# Altium PCB RK_NVR_DEMO1_RK3588_LP4XD200P232SD8_V21_20211228_final_lint.PcbDoc (part 28 of 29)
Units mm, origin at the board's own origin, x right, y up, seen from the top; angles counter-clockwise.
Board outline 170.08 x 169.98 mm, 8 copper layers (TOP, L2-GND1, L3-POWER1, L4-S1, L5-GND2, L6-S2, L7-GND3, BOTTOM), stack 2.118 mm thick; 1650 components, 1119 nets, 6165 pads, 15417 vias.
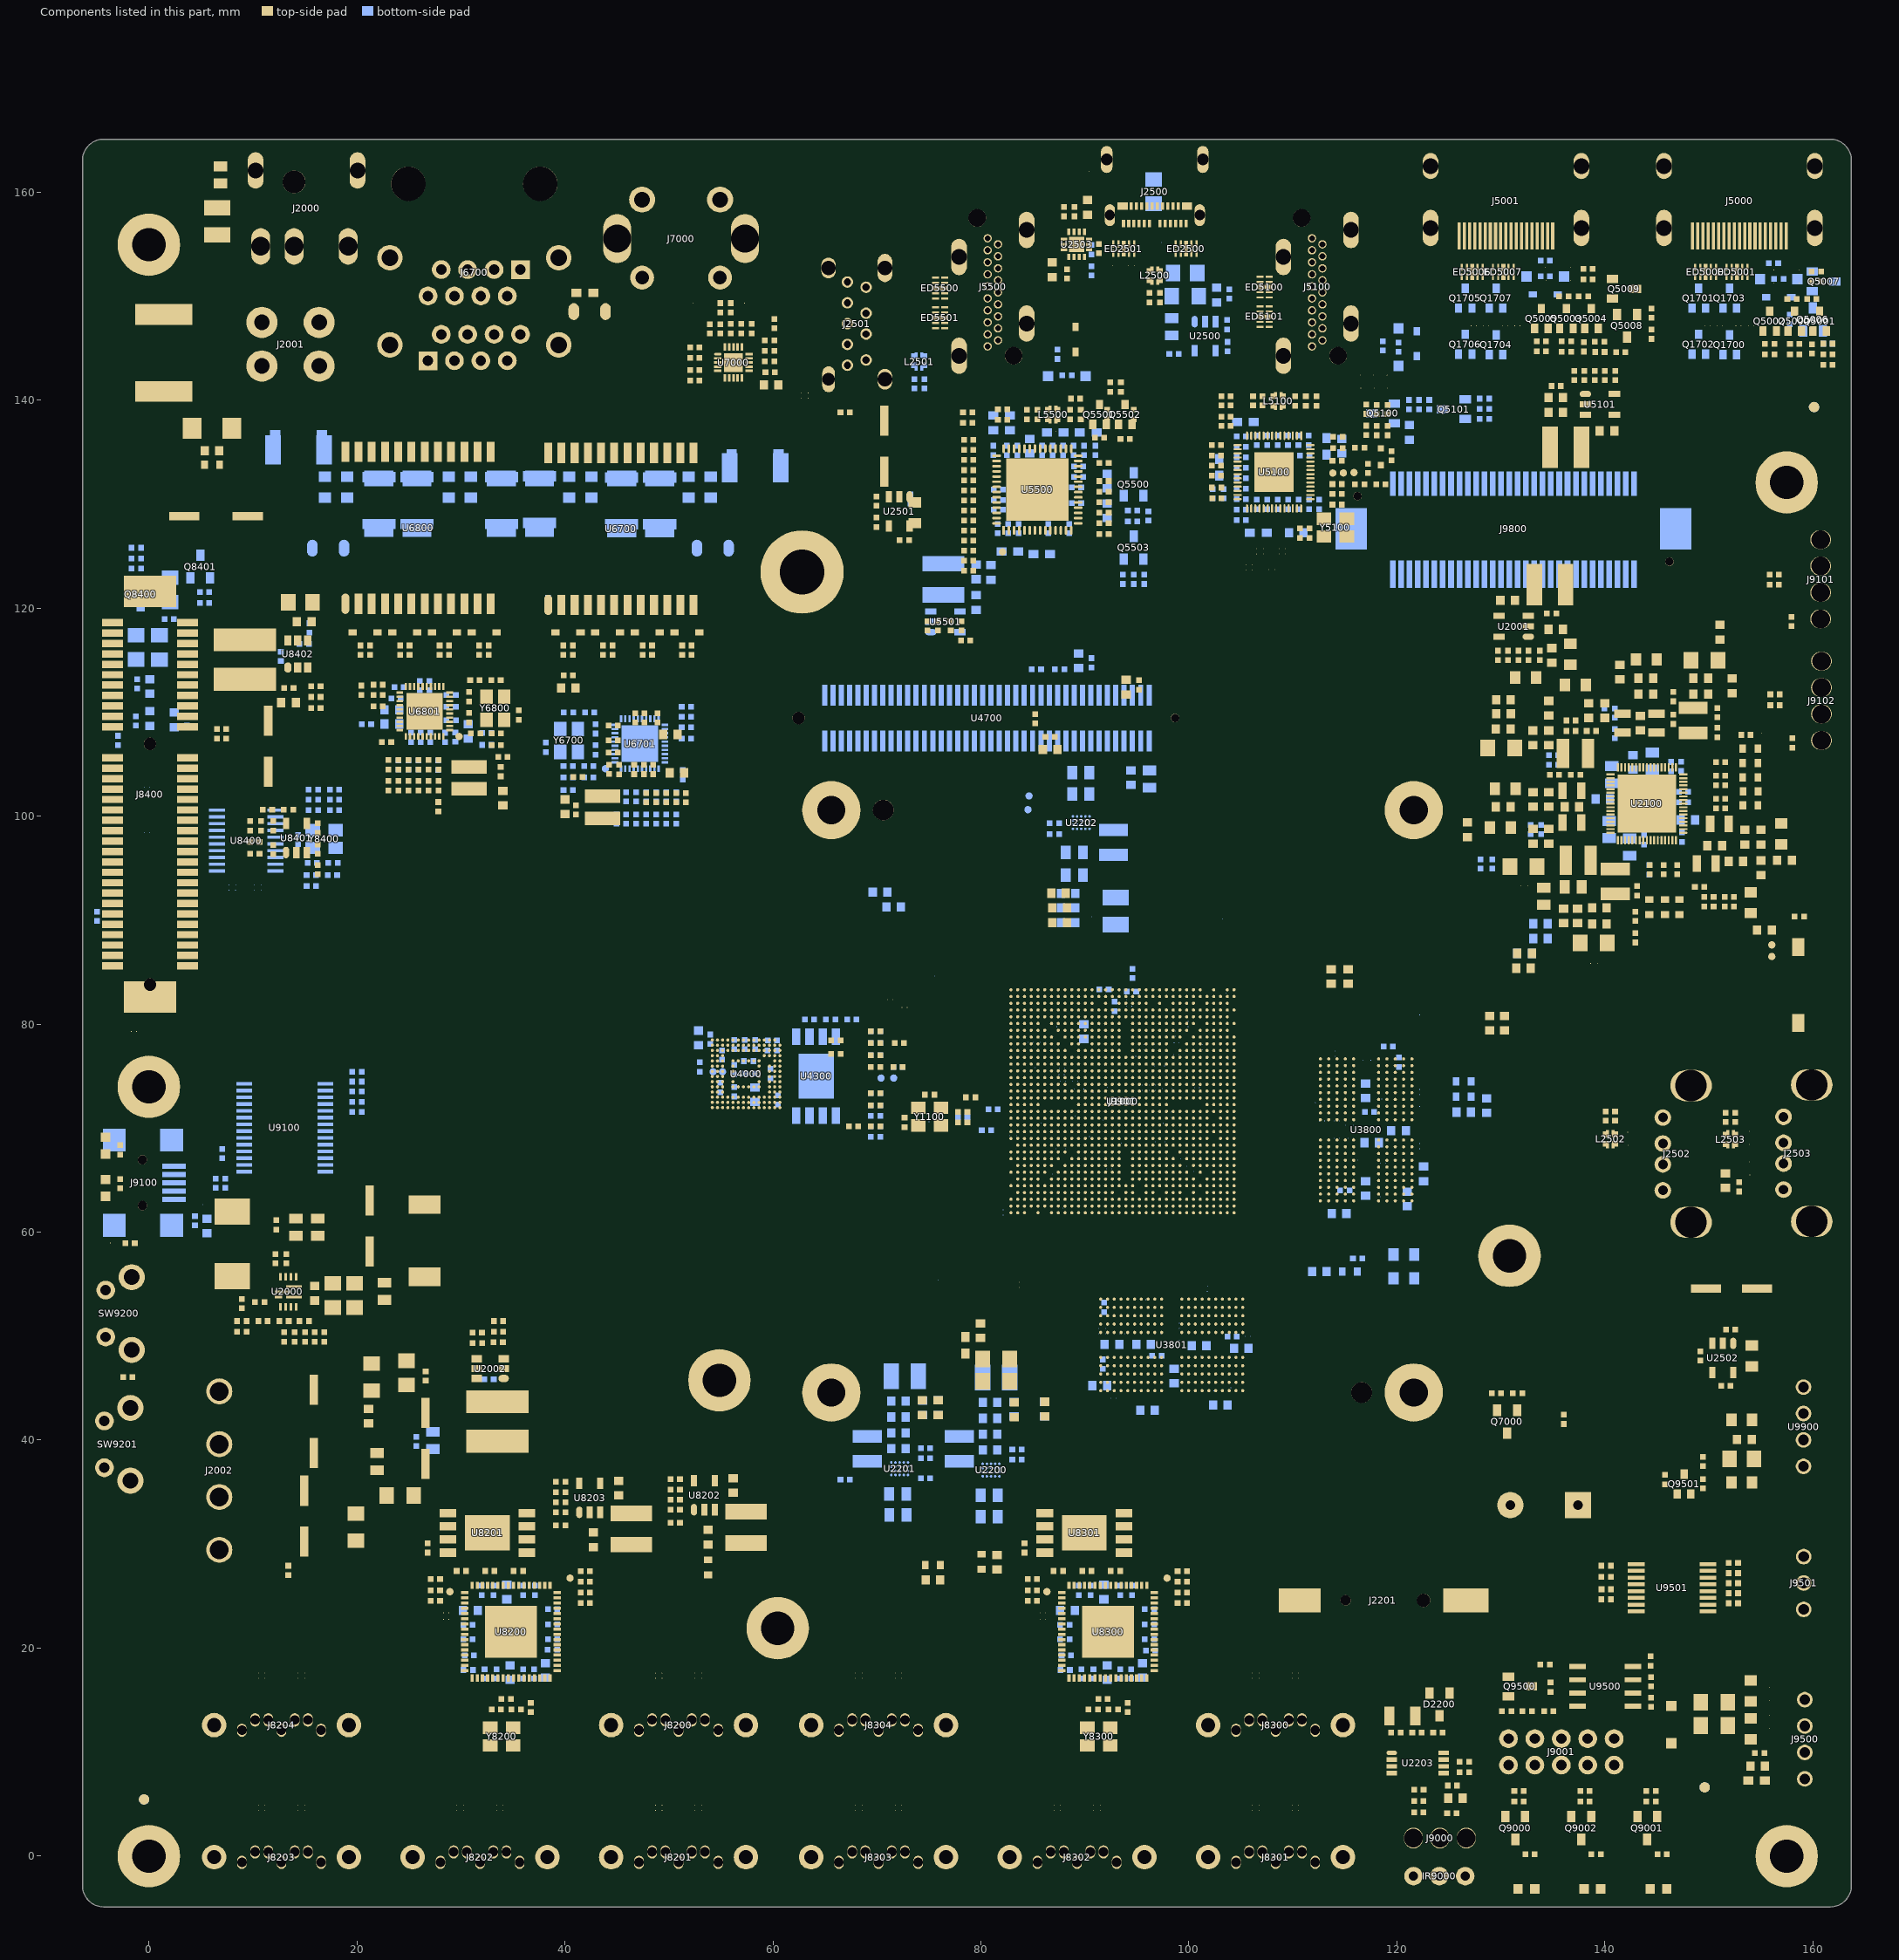
[diagram p34: the components of this part, seen from the top]

## Polygon pours and split planes (outlines as drawn) (continued)
VCC_RTC on TOP "TOP-VCC_RTC" (solid, pour order 90): 123.562,13.907 123.562,13.094 124.07,12.586 124.07,10.351 123.969,10.249 123.969,9.741 124.07,9.64 125.086,9.64 125.188,9.741 125.188,13.602 124.68,14.11 123.766,14.11
VDD1V2_SATAPM0 on TOP "TOP-VDD1V2_SATAPM0" (solid, pour order 189): 48.531,30.569 48.531,28.918 47.896,28.283 43.832,28.283 41.546,28.283 41.241,28.283 40.936,28.588 40.936,30.214 41.165,30.442 41.546,30.442 41.8,30.442 43.959,30.442 44.213,30.696 48.404,30.696
VCC3V3_SATAPM0 on TOP "TOP-VCC3V3_SATAPM0" (solid, pour order 44): 78.833,29.807 80.459,29.807 80.56,29.706 80.56,28.791 80.459,28.69 79.849,28.69 79.544,28.385 78.833,28.385 78.427,28.385 78.02,28.791 78.02,29.604 78.223,29.807
N15156243 on TOP "TOP-N15156243" (solid, pour order 202): 26 vertices, not listed, extent 6.291,53.277 13.504,57.239
VCC5V0_SYS on TOP "TOP-VCC5V0_SYS 2" (solid, pour order 216): 17 vertices, not listed, extent 18,32.144 23.461,37.529
VCC_3V3 on TOP "TOP-VCC_3V3 3" (solid, pour order 113): 161.942,107.684 161.307,108.319 157.497,108.319 157.243,108.319 157.116,108.192 157.116,107.303 157.243,107.176 157.497,107.176 157.624,107.176 159.402,107.176 159.529,107.176 160.418,106.287 161.434,106.287 161.942,106.795
VCC3V3_PCIE30 on TOP "TOP-VCC3V3_PCIE30" (solid, pour order 234): 6.189,114.338 11.472,114.338 12.183,114.338 13.301,113.221 13.301,112.51 13.301,109.893 13.314,109.881 13.314,107.95 12.996,107.633 9.542,107.633 8.018,109.157 5.986,111.189 5.986,112.205 5.986,114.135
VDD_LOGIC on TOP "TOP-VDD_LOGIC" (solid, pour order 182): 138.396,88.684 138.396,87.033 138.396,86.906 138.777,86.525 138.777,85.255 137.558,85.255 136.923,85.89 135.221,85.89 135.018,86.094 135.018,90.158 135.145,90.285 137.812,90.285 137.939,90.158 137.939,89.142 138.142,88.938
VCC_3V3_P on TOP "TOP-VCC_3V3_P" (solid, pour order 157): 156.989,98.336 156.989,98.692 157.37,98.692 157.675,98.997 157.675,99.81 157.446,100.038 156.887,100.038 156.862,100.064 151.909,100.064 151.655,100.064 151.528,99.937 151.528,98.413 151.655,98.286 153.814,98.286 156.938,98.286
VDD_IVDD10 on TOP "TOP-VDD_IVDD10" (solid, pour order 200): 135.526,133.236 133.697,133.236 133.24,133.693 132.986,133.947 132.986,141.161 133.291,141.466 133.595,141.77 134.815,141.77 135.221,141.364 135.221,141.161 135.221,137.808 135.526,137.503
VDDA_0V75 on TOP "TOP-VDDA_0V75" (solid, pour order 13): 155.592,101.638 154.525,101.638 154.398,101.511 154.398,100.749 154.652,100.495 155.592,100.495 155.719,100.495 155.795,100.572 155.795,101.435 155.719,101.511
VCC4V0_SYS on TOP "TOP-VCC4V0_SYS 4" (solid, pour order 226): 23.359,54.42 22.115,54.42 21.734,54.039 21.734,51.55 21.835,51.55 22.14,51.245 28.439,51.245 28.643,51.448 28.643,53.988 28.592,54.039 28.592,55.969 27.931,56.63 25.087,56.63 23.969,55.512 23.969,55.029
PMIC1_SW6 on TOP "TOP-PMIC1_SW6" (solid, pour order 54): 17 vertices, not listed, extent 140.86,105.321 143.12,108.446
VDD2_DDR_P on TOP "TOP-VDD2_DDR_P" (solid, pour order 178): 17 vertices, not listed, extent 137.659,109.335 142.638,113.526
VDDA_0V75_PMU on TOP "TOP-VDDA_0V75_PMU" (solid, pour order 53): 154.627,107.099 154.485,107.099 154.358,106.972 154.358,106.083 154.485,105.956 155.628,105.956 155.66,105.989 156.539,105.989 156.659,106.109 156.659,107.328 156.252,107.734 154.931,107.734 154.83,107.633 154.627,107.43
N17435180 on TOP "TOP-N17435180" (solid, pour order 198): 32.097,46.266 33.418,44.946 36.364,44.946 36.669,44.641 36.669,42.914 36.263,42.507 30.573,42.507 30.268,42.812 30.268,45.86 30.675,46.266
VCC3V3_SATAPM1 on TOP "TOP-VCC3V3_SATAPM1" (solid, pour order 101): 79.646,28.004 82.694,28.004 82.948,27.75 82.948,26.48 82.694,26.226 79.773,26.226 79.392,26.607 79.392,27.75
VDD_DDR on TOP "TOP-VDD_DDR" (solid, pour order 260): 28 vertices, not listed, extent 120.286,79.693 130.243,99.987
VCCA_3V3 on TOP "TOP-VCCA_3V3" (solid, pour order 12): 146.651,89.632 146.651,90.843 146.778,90.97 147.667,90.97 147.794,90.843 147.794,89.632
VCC5V0_SYS on TOP "TOP-VCC5V0_SYS 3" (solid, pour order 130): 72.839,128.461 72.839,125.921 72.839,125.718 73.245,125.311 74.464,125.311 74.871,125.311 75.175,125.311 75.277,125.413 75.277,126.632 75.175,126.734 75.175,128.156 74.667,128.664 74.566,128.766 73.143,128.766
VCC12V_DCIN on TOP "TOP-VCC12V_DCIN" (solid, pour order 253): 36 vertices, not listed, extent 13.199,46.368 32.199,54.217
VDDA0V75_IMAGE_P on TOP "TOP-VDDA0V75_IMAGE_P 1" (solid, pour order 9): 153.636,103.289 153.636,104.178 153.509,104.305 152.747,104.305 152.417,103.975 152.417,103.493 152.417,103.239 152.493,103.162 152.747,103.162 153.509,103.162
VCC_3V3 on TOP "TOP-VCC_3V3 4" (solid, pour order 135): 53.331,27.369 54.551,27.369 54.855,27.064 54.855,24.118 54.754,24.016 54.246,23.508 52.417,23.508 52.214,23.711 52.214,25.438 52.417,25.642 52.722,25.642 53.128,26.048 53.128,27.166
VCC12V_DCIN on TOP "TOP-VCC12V_DCIN 1" (solid, pour order 58): 152.696,36.614 152.696,35.192 152.595,35.09 150.359,35.09 150.258,35.192 150.258,36.513 150.461,36.716 152.595,36.716
N21892112 on TOP "TOP-N21892112" (solid, pour order 249): 17 vertices, not listed, extent 5.541,27.648 20.921,32.423
VCC_1V1_NLDO_P on TOP "TOP-VCC_1V1_NLDO_P" (solid, pour order 188): 135.526,124.295 135.526,120.231 135.119,119.825 135.119,118.91 135.627,118.402 135.627,116.675 136.135,116.167 137.355,116.167 137.456,116.269 137.456,124.397 137.253,124.6 135.831,124.6
VDD1V2_SATAPM0 on TOP "TOP-VDD1V2_SATAPM0 1" (solid, pour order 64): 74.972,28.588 74.972,27.775 74.464,27.267 73.855,27.267 73.448,26.861 72.534,26.861 72.229,27.166 72.229,27.978 72.839,28.588 72.94,28.588 73.042,28.69 74.871,28.69
PMIC1_SW5 on TOP "TOP-PMIC1_SW5" (solid, pour order 35): 137.964,98.641 139.209,99.886 139.514,99.886 139.717,100.089 139.717,100.394 139.615,100.495 138.498,100.495 138.193,100.191 137.38,100.191 137.38,98.641
VDD_CPU_BIG0 on TOP "TOP-VDD_CPU_BIG0" (solid, pour order 204): 81.983,48.603 81.983,43.828 82.795,43.015 85.843,43.015 86.351,43.015 86.555,43.218 86.555,44.539 86.047,45.047 85.031,46.063 85.031,48.197 84.523,48.705 82.084,48.705 82.033,48.654
N17305210 on TOP "TOP-N17305210" (solid, pour order 191): 12.691,118.123 6.113,118.123 6.087,118.098 6.087,115.964 6.291,115.761 12.92,115.761 13.199,115.761 13.707,116.269 13.707,117.386 12.971,118.123
VCC3V3_SATAPM0 on TOP "TOP-VCC3V3_SATAPM0 1" (solid, pour order 197): 59.554,30.696 59.554,29.172 58.919,28.537 55.287,28.537 54.754,28.004 52.239,28.004 52.112,28.131 52.112,30.239 52.265,30.391 52.569,30.696 52.823,30.696 54.982,30.696 55.236,30.95 59.326,30.95 59.326,30.925
VCC_1V8 on TOP "TOP-VCC_1V8" (solid, pour order 107): 143.349,116.116 140.936,116.116 140.885,116.167 140.504,116.167 140.301,115.964 140.301,114.592 140.682,114.211 140.809,114.084 143.349,114.084 143.603,114.338 143.603,115.862
VDDQ_DDR on TOP "TOP-VDDQ_DDR" (solid, pour order 271): 25 vertices, not listed, extent 127.703,64.758 156.354,91.58
VDDA_DDR_PLL on TOP "TOP-VDDA_DDR_PLL" (solid, pour order 11): 154.358,105.474 154.358,104.585 154.434,104.509 154.449,104.509 155.592,104.509 155.719,104.636 155.719,105.474 155.592,105.601 155.501,105.601 155.374,105.601 155.12,105.601 154.485,105.601
N15216723 on TOP "TOP-N15216723" (solid, pour order 162): 48.531,32.22 48.531,33.744 48.15,34.125 43.578,34.125 43.07,33.617 43.07,32.347 43.324,32.093 48.404,32.093
VCC4V0_SYS on TOP "TOP-VCC4V0_SYS 5" (solid, pour order 104): 54.144,35.624 54.906,35.624 55.16,35.878 56.684,35.878 56.938,36.132 56.938,38.164 56.684,38.418 55.668,38.418 54.017,36.767 54.017,35.751
PHY0_REG_OUT on TOP "TOP-PHY0_REG_OUT" (solid, pour order 110): 41.901,101.232 41.901,102.858 42.206,103.162 45.356,103.162 45.457,103.061 45.457,101.537 45.153,101.232
N15889248 on TOP "TOP-N15889248" (solid, pour order 154): 136.948,133.338 138.574,133.338 138.777,133.541 138.777,138.824 138.675,138.926 137.05,138.926 136.948,138.824
VCC_3V3 on TOP "TOP-VCC_3V3 5" (solid, pour order 68): 122.546,16.548 122.546,14.923 122.75,14.72 123.867,14.72 124.07,14.923 124.07,16.65 124.07,17.26 123.766,17.564 122.75,17.564 122.546,17.361
VCC3V3_IR on TOP "TOP-VCC3V3_IR" (solid, pour order 219): 126.255,-3.111 127.779,-3.111 128.287,-2.603 128.287,5.652 127.017,6.922 126.128,6.922 125.62,6.922 125.493,6.795 125.493,-2.603 126.001,-3.111
VCC_2V0_PLDO on TOP "TOP-VCC_2V0_PLDO" (solid, pour order 239): 30 vertices, not listed, extent 123.74,100.318 131.868,114.338
VDD_DDR_P on TOP "TOP-VDD_DDR_P" (solid, pour order 176): 18 vertices, not listed, extent 130.547,96.355 136.364,100.178
VDD2_DDR on TOP "TOP-VDD2_DDR" (solid, pour order 152): 18 vertices, not listed, extent 131.97,110.274 136.643,113.221
N15873508 on TOP "TOP-N15873508" (solid, pour order 233): 153.712,34.887 155.643,34.887 157.37,36.614 157.37,40.272 158.183,41.085 160.011,41.085 160.519,41.593 160.519,43.422 160.011,43.93 155.643,43.93 154.322,42.609 154.017,42.609 153.611,42.202 153.611,34.989
VCC_3V3 on TOP "TOP-VCC_3V3 6" (solid, pour order 187): 21 vertices, not listed, extent 156.252,93.282 160.418,97.879
VCC4V0_SYS on TOP "TOP-VCC4V0_SYS 6" (solid, pour order 26): 141.749,96.736 141.749,97.143 141.647,97.244 141.038,97.244 141.038,97.549 140.936,97.651 140.733,97.651 140.53,97.447 140.047,96.965 140.047,95.873 140.098,95.873 140.225,95.746 140.758,95.746 141.063,96.05
VDD10_PHY0 on TOP "TOP-VDD10_PHY0" (solid, pour order 140): 26 vertices, not listed, extent 42.562,106.871 48.404,111.57
VDD10_PHY1 on TOP "TOP-VDD10_PHY1" (solid, pour order 163): 17 vertices, not listed, extent 28.846,101.537 35.221,104.026
VDD_CPU_BIG1 on TOP "TOP-VDD_CPU_BIG1" (solid, pour order 227): 76.598,43.32 74.871,43.32 74.058,43.32 73.753,43.625 73.753,46.673 74.667,47.587 74.871,47.79 75.887,48.806 77.512,48.806 80.56,48.806 80.865,48.502 80.865,46.165 78.02,43.32
PHY1_REG_OUT on TOP "TOP-PHY1_REG_OUT" (solid, pour order 144): 22 vertices, not listed, extent 28.236,104.28 32.503,107.988
VCC4V0_SYS on TOP "TOP-VCC4V0_SYS 7" (solid, pour order 16): 141.317,105.271 140.936,105.271 140.885,105.321 140.809,105.321 140.784,105.296 140.403,105.296 140.199,105.499 140.199,106.414 140.58,106.795 140.631,106.795 140.682,106.845 140.809,106.845 140.809,106.82 141.52,106.109 141.52,105.474
VCCIO_PHY0 on TOP "TOP-VCCIO_PHY0" (solid, pour order 165): 23 vertices, not listed, extent 46.169,101.842 51.96,104.686
VDD10_PHY0 on TOP "TOP-VDD10_PHY0 1" (solid, pour order 201): 27 vertices, not listed, extent 37.609,98.997 45.457,111.697
VCCA_1V8_P on TOP "TOP-VCCA_1V8_P" (solid, pour order 23): 145.381,91.605 146.118,91.605 146.194,91.682 146.194,92.444 145.305,93.333 145.305,93.587 144.924,93.968 144.797,93.968 144.67,93.841 144.67,92.774 145.254,92.19 145.254,91.732
N15216667 on TOP "TOP-N15216667" (solid, pour order 161): 59.554,32.474 59.554,33.998 59.173,34.379 54.601,34.379 54.093,33.871 54.093,32.601 54.347,32.347 59.427,32.347
VCC5V0_SYS on TOP "TOP-VCC5V0_SYS 4" (solid, pour order 31): 88.891,145.123 90.009,145.123 90.517,144.615 90.517,143.701 90.415,143.599 89.399,143.599 88.79,144.209 88.79,145.022
VDD_LOGIC_P on TOP "TOP-VDD_LOGIC_P" (solid, pour order 209): 139.793,93.129 141.825,93.129 142.396,93.129 142.396,86.398 141.126,85.128 139.285,85.128 139.158,85.255 139.158,86.398 139.285,86.525 139.539,86.779 139.539,89.446 139.539,92.875
VDD_CPU_LIT on TOP "TOP-VDD_CPU_LIT" (solid, pour order 211): 19 vertices, not listed, extent 126.509,103.874 130.065,111.798
PMIC1_SW3 on TOP "TOP-PMIC1_SW3" (solid, pour order 85): 142.638,94.349 142.638,97.016 142.384,97.27 142.13,97.27 141.876,97.016 141.888,97.003 141.888,96.635 140.745,95.492 139.717,95.492 139.717,94.349 140.098,94.349
VCCA1V8_IMAGE_P on TOP "TOP-VCCA1V8_IMAGE_P" (solid, pour order 55): 143.146,91.555 142.892,91.809 142.892,92.698 143.273,92.698 143.527,92.952 143.527,95.365 143.349,95.542 143.349,95.923 144.035,95.238 144.035,93.206 144.873,92.367 144.873,91.732 144.746,91.605 144.721,91.605 144.67,91.555
VCCA_3V3_P on TOP "TOP-VCCA_3V3_P" (solid, pour order 15): 146.702,91.682 147.718,91.682 147.718,92.063 147.718,92.19 146.448,93.46 146.321,93.46 146.194,93.46 146.067,93.333 146.067,92.952 146.575,92.444 146.575,91.809
N21615728 on TOP "TOP-N21615728" (solid, pour order 212): 155.058,10.224 155.058,6.871 155.465,6.465 160.24,6.465 160.748,6.973 160.748,10.325 160.138,10.935 155.77,10.935
VDD_NPU on TOP "TOP-VDD_NPU" (solid, pour order 141): 87.774,93.104 88.383,93.104 88.79,92.698 88.79,86.805 88.587,86.602 87.571,86.602 87.164,87.008 87.164,87.719 86.758,88.126 86.758,88.938 86.961,89.142 87.571,89.142 87.672,89.243 87.672,93.002
VCC12VDC on TOP "TOP-VCC12VDC" (solid, pour order 269): 24 vertices, not listed, extent -1.533,141.466 12.437,156.604
PMIC1_SW7 on TOP "TOP-PMIC1_SW7" (solid, pour order 49): 139.437,102.121 139.615,102.121 139.92,101.816 139.92,101.41 139.818,101.308 139.31,101.308 138.853,101.308 138.574,101.588 138.447,101.715 137.316,101.715 137.316,102.832 137.316,103.251 137.431,103.366 138.193,103.366
VCC4V0_SYS on TOP "TOP-VCC4V0_SYS 8" (solid, pour order 105): 42.994,35.243 43.756,35.243 44.01,35.497 45.534,35.497 45.788,35.751 45.788,37.783 45.534,38.037 44.518,38.037 42.867,36.386 42.867,35.37
VCCA_1V8 on TOP "TOP-VCCA_1V8" (solid, pour order 236): 25 vertices, not listed, extent 133.494,78.27 146.6,90.97
VCC4V0_SYS on TOP "TOP-VCC4V0_SYS 9" (solid, pour order 70): 130.446,121.247 130.446,119.114 130.141,118.809 128.922,118.809 128.465,119.266 128.465,120.384 129.43,121.349 130.344,121.349
VCC4V0_SYS on TOP "TOP-VCC4V0_SYS 10" (solid, pour order 27): 136.923,101.461 138.32,101.461 138.701,101.08 139.844,101.08 139.844,100.826 139.717,100.699 138.193,100.699 137.939,100.445 136.796,100.445 136.669,100.572 136.669,101.334 136.796,101.461
PMIC1_SW9 on TOP "TOP-PMIC1_SW9" (solid, pour order 75): 147.032,97.346 146.829,97.143 146.829,96.736 146.829,96.508 148.099,95.238 148.099,94.603 148.175,94.526 149.127,94.526 149.229,94.628 149.229,96.139 148.886,96.482 147.718,97.651 147.438,97.651 147.337,97.752 147.032,97.752
VDD_CPU_BIG1_MEM on TOP "TOP-VDD_CPU_BIG1_MEM" (solid, pour order 93): 77.919,50.534 77.919,49.416 78.122,49.213 79.849,49.213 81.576,49.213 81.881,49.518 81.881,50.229 81.475,50.635 80.154,50.635 80.154,50.737 80.052,50.838 78.935,50.838 78.731,50.635 78.02,50.635
VDDA_DDR_PLL_P on TOP "TOP-VDDA_DDR_PLL_P" (solid, pour order 52): 25 vertices, not listed, extent 148.353,102.223 153.596,105.525
VDDA0V75_IMAGE on TOP "TOP-VDDA0V75_IMAGE" (solid, pour order 88): 115.714,82.944 112.361,82.944 112.056,83.249 112.056,84.163 112.259,84.366 115.714,84.366 115.815,84.366 115.917,84.265 115.917,83.046 115.815,82.944
VCC_2V0_PLDO_P on TOP "TOP-VCC_2V0_PLDO_P" (solid, pour order 139): 130.954,101.765 134.967,101.765 135.145,101.588 136.288,101.588 136.288,103.239 133.291,103.239 133.062,103.467 131.157,103.467 130.954,103.264 130.954,103.239
VDD_VDENC on TOP "TOP-VDD_VDENC" (solid, pour order 167): 150.258,113.957 151.477,113.957 151.782,113.653 151.782,112.891 151.909,112.764 152.798,112.764 153.052,113.018 153.052,117.209 152.671,117.59 149.75,117.59 149.75,115.939 149.953,115.939 150.004,115.939 150.131,115.812 150.131,114.084
VDDA0V75_IMAGE on TOP "TOP-VDDA0V75_IMAGE 1" (solid, pour order 158): 18 vertices, not listed, extent 154.322,101.74 161.637,104.28
VCC12V_PCIE30 on TOP "TOP-VCC12V_PCIE30" (solid, pour order 173): -2.015,118.936 -2.015,116.269 -1.888,116.142 2.049,116.142 2.176,116.269 2.176,119.19 1.922,119.444 -1.507,119.444
VCC12V_DCIN on TOP "TOP-VCC12V_DCIN 2" (solid, pour order 276): 24 vertices, not listed, extent -4.885,116.269 14.698,142.38
PMIC1_SW8 on TOP "TOP-PMIC1_SW8" (solid, pour order 47): 149.242,98.921 148.48,98.921 148.264,99.136 148.264,99.975 148.251,99.987 148.251,100.089 148.353,100.191 149.572,100.191 149.597,100.165 150.385,100.165 150.486,100.064 150.512,100.064 150.512,98.413 149.75,98.413 149.496,98.667
VCC3V3_PI6C_05 on TOP "TOP-VCC3V3_PI6C_05" (solid, pour order 98): 19 vertices, not listed, extent 9.339,98.692 13.606,101.537
VCC3V3_PCIE30 on TOP "TOP-VCC3V3_PCIE30 1" (solid, pour order 170): -2.142,109.258 -2.396,109.512 -2.396,111.951 -2.015,112.332 1.16,112.332 2.43,111.062 2.43,109.411 2.303,109.284 1.896,109.284 1.515,109.665 0.499,109.665 0.093,109.258
VCC5V0_SYS on TOP "TOP-VCC5V0_SYS 5" (solid, pour order 24): 88.587,157.925 89.298,157.925 89.603,158.23 90.415,158.23 90.415,157.315 89.907,156.807 89.704,156.807 88.79,156.807 88.688,156.909 88.688,157.315 88.587,157.417
VCC_1V1_NLDO on TOP "TOP-VCC_1V1_NLDO" (solid, pour order 142): 132.884,112.611 134.815,112.611 135.627,113.424 137.355,113.424 137.558,113.627 137.558,114.846 137.253,115.151 134.408,115.151 134.205,114.948 134.205,114.542 133.9,114.237 132.884,114.237 132.783,114.135 132.783,112.713
VDDA_0V85_P on TOP "TOP-VDDA_0V85_P" (solid, pour order 7): 153.636,101.892 153.636,102.781 153.509,102.908 152.747,102.908 152.366,102.527 152.366,102.146 152.683,101.829 153.572,101.829
N15763883 on TOP "TOP-N15763883" (solid, pour order 145): 132.275,124.194 132.275,120.333 131.767,119.825 131.767,119.215 132.071,118.91 132.783,118.91 134.002,120.13 134.002,124.295 133.799,124.498 132.579,124.498
VCC5V0_SYS_P on TOP "TOP-VCC5V0_SYS_P" (solid, pour order 242): 36.466,38.748 36.263,38.748 34.637,37.122 29.963,37.122 26.509,33.668 25.188,33.668 24.782,34.074 24.782,38.748 25.696,39.662 27.322,39.662 28.744,41.085 31.183,41.085 36.567,41.085 36.466,40.983
VCCIO_SD_P on TOP "TOP-VCCIO_SD_P" (solid, pour order 14): 146.448,94.857 147.464,94.857 147.464,95.238 147.464,95.365 146.194,96.635 146.067,96.635 145.94,96.635 145.813,96.508 145.813,96.127 146.321,95.619 146.321,94.984
VDD_VDENC on TOP "TOP-VDD_VDENC 1" (solid, pour order 122): 128.414,79.896 130.954,79.896 131.157,79.693 131.157,77.864 130.852,77.559 128.312,77.559 127.906,77.966 127.906,79.388
VDD_VDENC on L3-POWER1 "L3-POWER1-VDD_VDENC" (solid, pour order 296): 54 vertices, not listed, extent 95.14,70.93 160.621,117.386
VDD_LOGIC on L3-POWER1 "L3-POWER1-VDD_LOGIC" (solid, pour order 288): 65 vertices, not listed, extent 90.415,67.628 137.863,99.2
VCC_3V3 on L3-POWER1 "L3-POWER1-VCC_3V3" (solid, pour order 283): 36 vertices, not listed, extent 31.081,60.795 73.753,97.574
VDD_CPU_BIG1 on L3-POWER1 "L3-POWER1-VDD_CPU_BIG1" (solid, pour order 285): 27 vertices, not listed, extent 70.248,44.438 90.619,70.803
VDD_NPU on L3-POWER1 "L3-POWER1-VDD_NPU" (solid, pour order 264): 23 vertices, not listed, extent 82.821,75.527 91.203,89.142
VCC5V0_SYS on L3-POWER1 "L3-POWER1-VCC5V0_SYS" (solid, pour order 301): 125 vertices, not listed, extent 4.563,22.289 156.557,151.422
VCC_1V8 on L3-POWER1 "L3-POWER1-VCC_1V8" (solid, pour order 290): 40 vertices, not listed, extent 37.482,76.34 125.061,114.745
VDDQ_DRAM on L3-POWER1 "L3-POWER1-VDDQ_DRAM" (solid, pour order 293): 29 vertices, not listed, extent 90.949,42.863 125.493,77.153
VDD_CPU_LIT on L3-POWER1 "L3-POWER1-VDD_CPU_LIT" (solid, pour order 298): 59 vertices, not listed, extent 71.365,70.041 129.633,111.494
VDDQ_DDR_CK on L3-POWER1 "L3-POWER1-VDDQ_DDR_CK" (solid, pour order 193): 25 vertices, not listed, extent 92.854,61.1 98.315,69.025
VDD_GPU on L3-POWER1 "L3-POWER1-VDD_GPU" (solid, pour order 282): 45 vertices, not listed, extent 95.267,74.994 131.055,91.682
VCC3V3_PHY1 on L3-POWER1 "L3-POWER1-VCC3V3_PHY1" (solid, pour order 215): 38 vertices, not listed, extent 22.572,106.541 31.97,114.669
VDD2_DDR_CKE on L3-POWER1 "L3-POWER1-VDD2_DDR_CKE" (solid, pour order 155): 94.987,62.624 94.987,65.672 95.597,66.282 96.105,66.282 96.41,66.282 96.918,65.774 96.918,61.1 96.511,60.694 95.394,60.694 94.987,61.1
VDD_CPU_BIG1_MEM on L3-POWER1 "L3-POWER1-VDD_CPU_BIG1_MEM" (solid, pour order 248): 30 vertices, not listed, extent 80.459,48.502 92.549,69.634
VCC12V_DCIN on L3-POWER1 "L3-POWER1-VCC12V_DCIN" (solid, pour order 297): 30 vertices, not listed, extent 15.638,6.287 154.728,36.716
VCC4V0_SYS on L3-POWER1 "L3-POWER1-VCC4V0_SYS" (solid, pour order 302): 51 vertices, not listed, extent 15.028,28.893 150.563,139.738
VDDQ_DDR on L3-POWER1 "L3-POWER1-VDDQ_DDR" (solid, pour order 274): 33 vertices, not listed, extent 95.902,53.988 118.762,71.565
GND on L3-POWER1 "L3-POWER1-GND" (solid, pour order 308): -4.35,-4.373 cw(c-4.35,-2.849) -5.874,-2.849 -5.874,163.063 cw(c-4.35,163.063) -4.35,164.587 161.664,164.587 cw(c161.664,163.063) 163.188,163.063 163.188,-2.849 cw(c161.664,-2.849) 161.664,-4.373
VDD10_PHY1 on L3-POWER1 "L3-POWER1-VDD10_PHY1" (solid, pour order 254): 35 vertices, not listed, extent 22.623,101.842 35.424,113.348
VCCA1V8_IMAGE on L6-S2 "L6-S2-VCCA1V8_IMAGE" (solid, pour order 148): 25 vertices, not listed, extent 85.843,74.918 89.501,82.842
VCC_OVDD33_6161 on L6-S2 "L6-S2-VCC_OVDD33_6161" (solid, pour order 265): 19 vertices, not listed, extent 77.512,130.493 95.394,139.84
VCC_1V8 on L6-S2 "L6-S2-VCC_1V8" (solid, pour order 33): 100.067,75.629 100.067,76.34 101.49,77.762 101.896,77.762 102.404,78.27 103.014,78.27 103.115,78.169 103.115,78.067 102.506,77.458 102.099,77.458 101.795,77.153 101.795,77.051 100.271,75.527 100.169,75.527
VCC_3V3 on L6-S2 "L6-S2-VCC_3V3" (solid, pour order 222): 57 vertices, not listed, extent 97.629,73.394 116.425,85.687
VCC3V3_SATAPM0 on L6-S2 "L6-S2-VCC3V3_SATAPM0" (solid, pour order 280): 29 vertices, not listed, extent 27.22,14.872 80.052,33.465
VCC_OVDD33 on L6-S2 "L6-S2-VCC_OVDD33" (solid, pour order 257): 25 vertices, not listed, extent 102.099,132.22 117.847,139.535
VCC_2V0_PLDO on L6-S2 "L6-S2-VCC_2V0_PLDO" (solid, pour order 245): 25 vertices, not listed, extent 128.007,95.238 144.06,102.045
VDDA_0V85 on L6-S2 "L6-S2-VDDA_0V85" (solid, pour order 267): 68 vertices, not listed, extent 96.207,75.121 156.151,88.329
VDDA_0V75 on L6-S2 "L6-S2-VDDA_0V75" (solid, pour order 38): 87.266,78.372 87.875,78.372 88.383,77.864 88.383,76.848 88.587,76.645 88.587,75.832 88.383,75.629 87.977,75.629 87.266,76.34
VDDA_0V75_PMU on L6-S2 "L6-S2-VDDA_0V75_PMU" (solid, pour order 241): 36 vertices, not listed, extent 86.859,69.533 92.854,84.976
VDDA_DDR_PLL on L6-S2 "L6-S2-VDDA_DDR_PLL" (solid, pour order 210): 48 vertices, not listed, extent 94.784,66.993 104.335,78.169
VCC_1V8 on L6-S2 "L6-S2-VCC_1V8 1" (solid, pour order 295): 49 vertices, not listed, extent 122.419,46.063 162.145,119.622
VCC_3V3 on L6-S2 "L6-S2-VCC_3V3 1" (solid, pour order 294): 23 vertices, not listed, extent 50.791,10.097 157.776,25.845
VDDA0V75_IMAGE_P on L6-S2 "L6-S2-VDDA0V75_IMAGE_P" (solid, pour order 72): 153.001,104.077 153.001,103.366 152.798,103.162 151.782,103.162 150.867,102.248 149.851,102.248 149.648,102.451 149.648,103.061 149.75,103.162 150.867,104.28 151.375,104.28 152.798,104.28
VDDA_0V75 on L6-S2 "L6-S2-VDDA_0V75 1" (solid, pour order 184): 19 vertices, not listed, extent 98.848,79.388 106.875,84.163
VCC_3V3 on L6-S2 "L6-S2-VCC_3V3 2" (solid, pour order 203): 101.693,127.75 101.693,126.226 101.49,126.022 96.715,126.022 94.378,128.359 93.26,128.359 93.159,128.461 93.159,130.188 93.362,130.391 95.699,130.391 98.035,128.054 101.388,128.054
VCC12V_DCIN on L6-S2 "L6-S2-VCC12V_DCIN" (solid, pour order 286): 37 vertices, not listed, extent 0.093,104.788 98.035,125.616
VDDA_0V75_P on L6-S2 "L6-S2-VDDA_0V75_P" (solid, pour order 89): 149.547,101.74 152.798,101.74 153.103,101.435 153.103,100.419 152.899,100.216 149.851,100.216 149.445,100.622 149.445,101.638
VCC_1V8 on L6-S2 "L6-S2-VCC_1V8 2" (solid, pour order 42): 88.282,74.105 88.79,74.105 88.993,73.902 88.993,72.174 88.891,72.073 87.875,71.057 87.672,71.057 87.571,71.158 87.571,71.362 87.672,71.463 87.672,71.666 87.672,73.495
VCC_1V8 on L6-S2 "L6-S2-VCC_1V8 3" (solid, pour order 78): 17 vertices, not listed, extent 89.196,62.116 92.041,66.282
VDD1V2_SATAPM0 on L6-S2 "L6-S2-VDD1V2_SATAPM0" (solid, pour order 251): 73.651,27.978 73.651,26.962 72.94,26.251 43.273,26.251 42.257,26.251 41.444,27.064 41.444,28.08 41.444,29.807 41.851,30.214 44.695,30.214 46.829,28.08 51.706,28.08 73.55,28.08
VCC4V0_SYS on L6-S2 "L6-S2-VCC4V0_SYS" (solid, pour order 224): 12.183,94.628 22.14,94.628 22.75,94.018 22.75,91.986 22.547,91.783 12.793,91.783 12.387,92.19 12.387,93.612 11.929,94.069 11.929,94.374
VDDA0V75_IMAGE on L6-S2 "L6-S2-VDDA0V75_IMAGE" (solid, pour order 263): 62 vertices, not listed, extent 99.051,71.362 154.423,84.265
VDD2_DDR_CKE on L6-S2 "L6-S2-VDD2_DDR_CKE" (solid, pour order 164): 26 vertices, not listed, extent 96.003,65.672 101.896,70.447
VCCA_1V8 on L6-S2 "L6-S2-VCCA_1V8" (solid, pour order 273): 108 vertices, not listed, extent 86.656,65.062 136.339,90.666
GND on L6-S2 "L6-S2-GND" (solid, pour order 310): -4.35,-4.373 cw(c-4.35,-2.849) -5.874,-2.849 -5.874,163.063 cw(c-4.35,163.063) -4.35,164.587 161.664,164.587 cw(c161.664,163.063) 163.188,163.063 163.188,-2.849 cw(c161.664,-2.849) 161.664,-4.373
VDD_CPU_BIG0 on L4-S1 "L4-S1-VDD_CPU_BIG0" (solid, pour order 289): 39 vertices, not listed, extent 73.55,42.863 95.648,73.394
VDD_LOGIC on L4-S1 "L4-S1-VDD_LOGIC" (solid, pour order 284): 43 vertices, not listed, extent 90.517,72.886 137.761,97.676
VDD2_DDR on L4-S1 "L4-S1-VDD2_DDR" (solid, pour order 299): 55 vertices, not listed, extent 90.568,39.866 143.654,112.306
VCC_3V3 on L4-S1 "L4-S1-VCC_3V3" (solid, pour order 287): 46 vertices, not listed, extent 69.994,93.307 122.826,141.77
VDD_GPU on L4-S1 "L4-S1-VDD_GPU" (solid, pour order 279): 29 vertices, not listed, extent 94.073,74.867 131.259,90.666
VCC3V3_SATAPM1 on L4-S1 "L4-S1-VCC3V3_SATAPM1" (solid, pour order 266): 55 vertices, not listed, extent 80.662,16.193 97.604,29.223
VCC_3V3 on L4-S1 "L4-S1-VCC_3V3 1" (solid, pour order 292): 28 vertices, not listed, extent 18.279,21.476 55.77,110.376
VCC5V0_SYS on L4-S1 "L4-S1-VCC5V0_SYS" (solid, pour order 235): 88.282,157.62 89.907,157.62 90.822,156.706 90.822,142.38 90.415,141.974 88.891,141.974 88.282,142.583 88.282,151.016 87.469,151.829 87.469,156.807
VCC_3V3 on L4-S1 "L4-S1-VCC_3V3 2" (solid, pour order 291): 29 vertices, not listed, extent 155.338,19.444 162.45,119.926
VDD_NPU on L4-S1 "L4-S1-VDD_NPU" (solid, pour order 262): 20 vertices, not listed, extent 80.763,75.426 91.431,89.142
VCC5V0_SYS on L4-S1 "L4-S1-VCC5V0_SYS 1" (solid, pour order 258): 90.212,126.835 93.057,126.835 97.121,122.771 97.121,113.627 96.816,113.322 92.447,113.322 89.806,115.964 89.806,126.429
GND on L4-S1 "L4-S1-GND" (solid, pour order 307): -4.35,-4.373 cw(c-4.35,-2.849) -5.874,-2.849 -5.874,163.063 cw(c-4.35,163.063) -4.35,164.587 161.664,164.587 cw(c161.664,163.063) 163.188,163.063 163.188,-2.849 cw(c161.664,-2.849) 161.664,-4.373
VDD1_1V8_DDR on L4-S1 "L4-S1-VDD1_1V8_DDR" (solid, pour order 223): 57 vertices, not listed, extent 111.853,71.158 125.264,74.918
VDD1_1V8_DDR on L4-S1 "L4-S1-VDD1_1V8_DDR 1" (solid, pour order 220): 62 vertices, not listed, extent 93.87,42.609 96.918,55.817
VDD1_1V8_DDR on L4-S1 "L4-S1-VDD1_1V8_DDR 2" (solid, pour order 243): 41 vertices, not listed, extent 111.853,62.218 125.264,69.228
VCC_3V3 on L4-S1 "L4-S1-VCC_3V3 3" (solid, pour order 146): 80.255,77.153 87.672,77.153 87.875,76.95 87.875,76.442 87.367,75.934 80.255,75.934 79.951,76.238 79.951,76.848
VDD1_1V8_DDR on L4-S1 "L4-S1-VDD1_1V8_DDR 3" (solid, pour order 214): 44 vertices, not listed, extent 99.864,42.406 104.03,54.191
VDD1V2_SATAPM1 on L4-S1 "L4-S1-VDD1V2_SATAPM1" (solid, pour order 278): 76 vertices, not listed, extent 75.709,8.827 101.464,28.639
VDD_IVDD12_6161 on L4-S1 "L4-S1-VDD_IVDD12_6161" (solid, pour order 246): 17 vertices, not listed, extent 79.544,129.578 91.939,138.722
VDD1V2_SATAPM0 on L4-S1 "L4-S1-VDD1V2_SATAPM0" (solid, pour order 270): 27.931,28.182 27.931,17.717 30.471,15.177 39.006,15.177 41.241,17.412 41.241,26.15 42.359,27.267 42.359,29.909 42.155,30.112 38.396,30.112 37.177,28.893 28.643,28.893
VDD_IVDD10 on L4-S1 "L4-S1-VDD_IVDD10" (solid, pour order 275): 19 vertices, not listed, extent 102.811,127.648 134.205,141.262
VCC_3V3 on L4-S1 "L4-S1-VCC_3V3 4" (solid, pour order 91): 81.881,74.308 87.774,74.308 87.977,74.105 87.977,73.698 87.672,73.394 81.983,73.394 81.779,73.597 81.779,74.206
VCC4V0_SYS on L4-S1 "L4-S1-VCC4V0_SYS" (solid, pour order 272): 17 vertices, not listed, extent 79.747,98.692 95.699,121.247
VDD_DDR on L4-S1 "L4-S1-VDD_DDR" (solid, pour order 281): 48 vertices, not listed, extent 93.87,62.014 125.772,84.265
VCC_3V3 on L4-S1 "L4-S1-VCC_3V3 5" (solid, pour order 17): 122.724,17.514 123.74,17.514 123.943,17.31 123.943,16.294 123.842,16.193 122.826,16.193 122.623,16.396 122.623,17.412
VCC12V_DCIN on L4-S1 "L4-S1-VCC12V_DCIN" (solid, pour order 300): 24 vertices, not listed, extent -1.736,22.289 25.493,125.464
VBUS5V0_TYPEC0 on L4-S1 "L4-S1-VBUS5V0_TYPEC0" (solid, pour order 252): 32 vertices, not listed, extent 85.64,151.321 104.639,161.176
GND on L5-GND2 "L5-GND2-GND" (solid, pour order 304): -4.35,-4.373 cw(c-4.35,-2.849) -5.874,-2.849 -5.874,163.063 cw(c-4.35,163.063) -4.35,164.587 161.664,164.587 cw(c161.664,163.063) 163.188,163.063 163.188,-2.849 cw(c161.664,-2.849) 161.664,-4.373
GND on L2-GND1 "L2-GND1-GND" (solid, pour order 306): -4.35,-4.373 cw(c-4.35,-2.849) -5.874,-2.849 -5.874,163.063 cw(c-4.35,163.063) -4.35,164.587 161.664,164.587 cw(c161.664,163.063) 163.188,163.063 163.188,-2.849 cw(c161.664,-2.849) 161.664,-4.373
GND on L7-GND3 "L7-GND3-GND" (solid, pour order 305): -4.35,-4.373 cw(c-4.35,-2.849) -5.874,-2.849 -5.874,163.063 cw(c-4.35,163.063) -4.35,164.587 161.664,164.587 cw(c161.664,163.063) 163.188,163.063 163.188,-2.849 cw(c161.664,-2.849) 161.664,-4.373

## Keep-outs
TOP:
  region: 92.549,72.53 92.549,72.479 92.295,72.225 92.905,71.616 93.057,71.616 93.26,71.819 93.235,71.844 93.209,71.844 93.057,71.692 92.879,71.692 92.422,72.149 92.422,72.276 92.6,72.454 92.6,72.479
  region: 65.219,110.376 65.219,108.344 72.686,100.876 72.686,93.358 77.411,88.634 77.411,82.436 80.967,78.88 82.186,78.88 82.694,79.388 82.694,90.97 79.138,94.526 79.138,103.061 79.138,110.274 78.528,110.884 65.727,110.884
  region: 105.3,61.659 105.808,61.659 106.951,60.516 106.951,60.262 109.872,57.341 115.206,57.341 116.857,58.992 121.429,58.992 122.064,59.627 122.064,79.185 121.048,80.201 109.237,80.201 105.046,76.01 105.046,61.913
  region: 51.807,27.978 51.807,26.556 51.909,26.556 51.909,27.978
  region: 18.686,122.06 19.194,122.06 19.397,121.857 33.519,121.857 33.824,121.552 33.824,119.012 34.231,118.606 34.231,117.285 33.316,116.37 33.316,114.237 33.011,113.932 22.648,113.932 20.718,113.932 20.21,114.44 19.702,114.948 19.702,116.37 18.686,117.386 18.686,118.606 18.178,119.114 18.178,121.552
  region: 27.119,31.331 27.119,30.518 27.322,30.518 27.322,31.331
  region: 16.451,32.754 16.451,32.652 17.873,32.652 17.873,32.754
  region: 119.879,14.567 119.879,14.364 121.099,14.364 121.099,14.567
  region: 34.84,17.615 34.84,17.514 35.348,17.514 35.348,17.615
  region: 92.244,17.615 92.244,17.514 92.752,17.514 92.752,17.615
  region: 144.873,-3.721 144.873,-3.619 145.381,-3.619 145.381,-3.721
  region: 169 vertices and 0 holes, not listed, extent 83.202,79.286 158.792,158.331
  region: 35.45,31.23 35.45,30.925 35.551,30.925 35.551,31.23
  region: 105.96,152.54 105.96,146.038 108.602,146.038 108.602,152.54 108.602,152.743 108.5,152.845 107.992,152.845 107.687,152.54
  region: 27.627,30.112 27.627,29.502 27.728,29.502 27.728,30.112
  region: 134.103,3.188 134.103,3.086 135.932,3.086 135.932,3.188
  region: 87.469,29.299 88.993,29.299 89.298,28.994 89.298,28.893 88.688,28.283 88.485,28.283 88.18,28.588 87.875,28.588 87.469,28.994
  region: 30.167,29.299 30.167,29.096 30.268,28.994 30.471,28.994
  region: 74.769,152.642 74.769,146.139 74.769,145.936 75.785,145.936 75.988,146.139 77.411,146.139 77.411,152.642
  region: 13.199,54.902 13.199,54.598 13.809,54.598 14.215,54.191 14.114,54.191 13.809,54.496 13.098,54.496 13.098,54.598 13.098,55.004 13.199,55.106 13.403,55.309 13.403,55.207 13.199,55.004
  region: 125.467,13.653 125.467,14.567 125.366,14.567 125.366,13.653
  region: 94.073,42.558 101.591,42.558 102.455,43.422 106.367,43.422 106.468,43.422 110.735,47.689 110.735,47.79 110.735,56.122 104.233,62.624 90.619,62.624 88.587,60.592 88.587,57.239 85.843,54.496 85.843,46.978 89.45,43.371 93.26,43.371
  region: 132.173,-3.721 132.173,-3.619 132.681,-3.619 132.681,-3.721
  region: 59.834,80.099 62.577,80.099 63.085,80.607 64.609,80.607 65.828,79.388 67.454,79.388 67.86,79.794 74.667,79.794 75.379,79.083 75.379,75.629 75.277,75.527 74.261,75.527 74.058,75.324 68.267,75.324 67.149,74.206 66.031,74.206 65.828,74.003 65.828,73.495 65.625,73.292 62.069,73.292 61.764,73.597 61.764,76.95 59.834,78.88
  region: 27.017,27.978 27.017,27.064 27.119,27.064 27.119,27.978
  region: 23.563,23.406 23.563,21.476 23.969,21.07 27.728,21.07 27.83,20.968 29.151,20.968 29.252,21.07 29.252,23.406 28.947,23.711 26.103,23.711 26.001,23.813 23.969,23.813
  region: 22.547,98.59 22.75,98.59 26.814,94.526 26.814,94.018 26.611,93.815 26.407,93.815 22.547,97.676
  region: 27.83,32.449 27.83,32.246 27.931,32.246 27.931,32.449
  region: 60.545,40.272 60.545,38.85 60.951,38.443 60.951,33.058 61.155,32.855 61.155,32.55 72.737,20.968 84.421,20.968 85.031,21.578 85.031,23.508 84.827,23.711 73.245,23.711 64.304,32.652 63.695,33.262 63.695,39.866 62.882,40.678 60.951,40.678
  region: 38.193,122.06 38.701,122.06 38.904,121.857 53.027,121.857 53.331,121.552 53.331,119.012 53.738,118.606 53.738,117.285 52.823,116.37 52.823,114.237 52.519,113.932 42.155,113.932 41.647,114.44 39.717,114.44 39.209,114.948 39.209,116.37 38.193,117.386 38.193,118.606 37.685,119.114 37.685,121.552
  region: 30.268,29.198 30.268,28.893 31.487,28.893 31.487,29.198
  region: 40.327,31.433 40.53,31.433 41.139,30.823 41.139,30.62 41.038,30.62 40.327,31.331
  region: 29.455,100.318 31.487,100.318 31.691,100.114 31.691,98.489 31.589,98.387 29.862,98.387 29.455,98.794
  region: 136.44,16.599 136.44,15.99 136.542,15.99 136.542,16.599
  region: 83.202,52.464 83.202,52.362 83.507,52.362 83.507,52.464
  region: 139.183,3.188 139.183,3.086 139.895,3.086 139.895,3.188
  region: 141.723,16.599 141.723,16.091 141.825,16.091 141.825,16.599
  region: 21.632,104.483 22.039,104.483 22.343,104.178 22.343,101.842 22.851,101.334 22.851,99.505 22.75,99.403 22.343,99.403 21.531,100.216 21.531,104.382
  region: 127.398,15.99 127.398,15.786 128.617,15.786 128.617,15.99
  region: -3.565,94.831 -1.939,94.831 0.093,92.799 0.093,87.11 1.109,86.094 2.227,86.094 2.227,85.179 5.071,85.179 5.376,85.484 5.376,95.238 5.478,95.339 8.424,95.339 11.472,92.291 17.568,92.291 41.241,68.618 54.144,68.618 57.497,65.266 82.491,65.266 87.164,60.592 87.164,58.763 84.319,55.918 48.251,55.918 44.187,59.982 36.567,59.982 19.6,76.95 15.739,76.95 13.606,79.083 -0.72,79.083 -0.923,78.88 -1.939,78.88 -2.142,79.083 -2.447,79.083 -3.565,80.201
L2-GND1:
  drawing of 517 lines, arcs and shapes, not listed
L3-POWER1:
  region: 128.952,151.562 130.019,151.562 130.019,153.111 128.952,153.111
  region: 93.513,155.347 92.446,155.347 92.446,153.797 93.513,153.797
  region: 148.404,151.562 149.47,151.562 149.47,153.111 148.404,153.111
  region: 126.544,148.482 127.052,148.482 127.052,149.282 126.544,149.282
  region: 148.998,148.482 149.506,148.482 149.506,149.282 148.998,149.282
  region: 95.013,155.347 93.946,155.347 93.946,153.797 95.013,153.797
  region: 128.225,154.491 129.241,154.491 129.241,157.091 128.225,157.091
  region: 148.368,148.482 148.876,148.482 148.876,149.282 148.368,149.282
  region: 75.315,152.057 75.315,150.991 76.864,150.991 76.864,152.057
  region: 153.5,145.561 154.008,145.561 154.008,146.361 153.5,146.361
  region: 106.506,152.159 106.506,151.092 108.056,151.092 108.056,152.159
  region: 148.183,154.491 148.691,154.491 148.691,157.091 148.183,157.091
  region: 152.179,154.491 153.195,154.491 153.195,157.091 152.179,157.091
  region: 152.906,151.562 153.973,151.562 153.973,153.111 152.906,153.111
  region: 131.046,145.561 131.554,145.561 131.554,146.361 131.046,146.361
  region: 151.37,148.482 151.878,148.482 151.878,149.282 151.37,149.282
  region: 149.868,145.561 150.376,145.561 150.376,146.361 149.868,146.361
  region: 153.683,154.491 154.191,154.491 154.191,157.091 153.683,157.091
  region: 125.914,148.482 126.422,148.482 126.422,149.282 125.914,149.282
  region: 125.95,151.562 127.017,151.562 127.017,153.111 125.95,153.111
  region: 152.87,145.561 153.378,145.561 153.378,146.361 152.87,146.361
  region: 106.506,150.659 106.506,149.592 108.056,149.592 108.056,150.659
  region: 75.315,150.557 75.315,149.491 76.864,149.491 76.864,150.557
  region: 150.679,154.491 151.695,154.491 151.695,157.091 150.679,157.091
  region: 75.315,149.213 75.315,148.146 76.864,148.146 76.864,149.213
  region: 125.729,154.491 126.237,154.491 126.237,157.091 125.729,157.091
  region: 130.416,145.561 130.924,145.561 130.924,146.361 130.416,146.361
  region: 150.498,145.561 151.006,145.561 151.006,146.361 150.498,146.361
  region: 130.452,151.562 131.519,151.562 131.519,153.111 130.452,153.111
  region: 101.007,155.347 99.94,155.347 99.94,153.797 101.007,153.797
  region: 152,148.482 152.508,148.482 152.508,149.282 152,149.282
  region: 151.406,151.562 152.473,151.562 152.473,153.111 151.406,153.111
  region: 128.916,148.482 129.424,148.482 129.424,149.282 128.916,149.282
  region: 128.044,145.561 128.552,145.561 128.552,146.361 128.044,146.361
  region: 129.547,148.482 130.055,148.482 130.055,149.282 129.547,149.282
  region: 149.903,151.562 150.97,151.562 150.97,153.111 149.903,153.111
  region: 127.45,151.562 128.517,151.562 128.517,153.111 127.45,153.111
  region: 129.725,154.491 130.741,154.491 130.741,157.091 129.725,157.091
  region: 131.229,154.491 131.737,154.491 131.737,157.091 131.229,157.091
  region: 127.414,145.561 127.922,145.561 127.922,146.361 127.414,146.361
  region: 149.179,154.491 150.195,154.491 150.195,157.091 149.179,157.091
  region: 75.315,147.713 75.315,146.646 76.864,146.646 76.864,147.713
  region: 106.506,147.814 106.506,146.747 108.056,146.747 108.056,147.814
  region: 99.507,155.347 98.44,155.347 98.44,153.797 99.507,153.797
  region: 126.725,154.491 127.741,154.491 127.741,157.091 126.725,157.091
  region: 106.506,149.314 106.506,148.247 108.056,148.247 108.056,149.314
L4-S1:
  region: 144.67,39.764 144.67,39.662 144.975,39.662 144.975,39.764
  region: 153.814,94.933 153.814,94.831 154.525,94.831 154.525,94.933
  region: 131.665,61.506 131.665,61.303 135.323,61.303 135.323,61.506
  region: 139.59,62.218 139.59,62.014 139.895,62.014 139.895,62.218
  region: 62.882,52.261 62.882,52.362 66.641,52.362 66.641,52.261
  region: 88.993,43.828 88.993,43.726 90.314,43.726 90.314,43.828
  region: 145.381,77.254 145.381,77.356 143.755,77.356 143.755,77.254
  region: 143.552,39.967 143.552,40.069 143.857,40.069 143.857,39.967
  region: 153.407,127.242 153.407,127.14 154.322,127.14 154.322,127.242
  region: 137.355,70.955 137.355,70.854 138.675,70.854 138.675,70.955
  region: 126.991,37.732 126.991,37.935 132.071,37.935 132.071,37.732
  region: 65.219,48.502 65.219,48.4 65.727,48.4 65.727,48.502
  region: 143.857,93.51 143.857,93.409 144.467,93.409 144.467,93.51
  region: 80.357,42.71 80.357,39.561 80.56,39.561 80.56,42.71
  region: 156.455,90.259 156.455,90.158 156.862,90.158 156.862,90.259
L6-S2:
  region: 58.107,37.224 59.123,37.224 59.123,37.122 58.107,37.122
  region: 86.961,42.304 86.961,41.186 87.063,41.186 87.063,42.304
  region: 88.485,44.946 88.485,43.422 89.196,42.71 89.704,42.71 89.704,44.031 88.688,45.047 88.587,45.047
  region: 61.053,32.957 61.053,30.62 61.155,30.62 61.155,32.957
  region: 150.969,71.158 150.969,70.244 151.071,70.244 151.071,71.158
  region: 124.858,40.78 124.858,40.272 124.959,40.272 124.959,40.78
  region: 155.439,71.565 155.439,71.463 153.407,71.463 153.407,71.565
  region: 139.59,72.886 139.59,72.378 139.691,72.378 139.691,72.886
  region: 76.699,85.281 76.699,85.179 77.715,85.179 77.715,85.281
  region: 55.465,94.831 55.465,93.104 55.567,93.104 55.567,94.831
  region: 30.979,88.532 36.364,88.532 36.669,88.227 36.567,88.126 30.979,88.126
  region: 142.435,41.898 142.435,42.202 142.536,42.202 142.536,41.898
  region: 83.811,41.491 83.811,39.764 83.913,39.764 83.913,41.491
  region: 71.213,36.919 71.924,36.919 72.635,36.208 73.245,36.208 73.448,36.005 73.448,35.7 73.347,35.598 72.331,35.598 71.111,36.818
  region: 87.977,74.816 87.977,74.206 88.079,74.206 88.079,74.816
  region: 78.833,47.994 78.833,46.063 78.935,46.063 78.935,47.994
  region: 118.863,6.744 118.863,6.033 118.762,6.033 118.762,6.744
  region: 139.996,39.154 139.996,39.561 140.098,39.561 140.098,39.154
  region: 143.552,39.967 143.552,39.764 143.857,39.764 143.857,39.967
  region: 76.09,89.548 76.801,89.548 76.801,89.446 76.09,89.446
  region: 72.127,47.994 72.127,46.774 72.229,46.774 72.229,47.994
  region: 183 vertices and 0 holes, not listed, extent 88.079,43.93 122.623,80.506
  region: 71.619,38.646 71.619,37.732 71.416,37.732 71.416,38.646
  region: 77.715,85.789 77.715,88.634 77.817,88.634 77.817,85.789
  region: 57.599,66.79 57.599,65.875 57.903,65.57 57.903,41.39 60.545,38.748 63.39,38.748 63.695,39.053 63.695,40.272 60.545,43.422 60.545,66.993 59.935,67.602 58.411,67.602
  region: 1.922,90.869 1.922,90.361 1.82,90.361 1.82,90.869
  region: 118.254,8.471 118.254,7.15 118.152,7.15 118.152,8.471

## Text inside footprints (layer, text, board x,y; h text height)
C1417: PIN_NUMBER "2" at 98.819,78.207 h0.64 r270; PIN_NUMBER "1" at 98.319,78.207 h0.64 r90; ASSEMBLY_TOP "1uF" at 98.518,78.08 h0.25 r180
C1418: PIN_NUMBER "2" at 97.023,78.207 h0.64 r90; PIN_NUMBER "1" at 97.524,78.207 h0.64 r270; ASSEMBLY_TOP "100nF" at 97.019,78.08 h0.25 r180
C1419: PIN_NUMBER "2" at 97.52,80.723 h0.64 r270; PIN_NUMBER "1" at 97.019,80.723 h0.64 r90; ASSEMBLY_TOP "100nF" at 97.016,80.596 h0.25 r180
C1420: PIN_NUMBER "2" at 97.52,80.098 h0.64 r270; PIN_NUMBER "1" at 97.019,80.098 h0.64 r90; ASSEMBLY_TOP "1uF" at 97.219,79.971 h0.25 r180
C1421: PIN_NUMBER "2" at 98.374,81.274 h0.64; PIN_NUMBER "1" at 98.374,80.774 h0.64 r180; ASSEMBLY_TOP "100nF" at 98.247,81.024 h0.25 r270
C1422: PIN_NUMBER "2" at 97.52,79.434 h0.64 r270; PIN_NUMBER "1" at 97.019,79.434 h0.64 r90; ASSEMBLY_TOP "100nF" at 97.016,79.307 h0.25 r180
C1423: PIN_NUMBER "2" at 97.494,78.834 h0.64 r270; PIN_NUMBER "1" at 96.994,78.834 h0.64 r90; ASSEMBLY_TOP "1uF" at 97.194,78.707 h0.25 r180
C1500: PIN_NUMBER "2" at 93.761,82.36 h0.64 r90; PIN_NUMBER "1" at 94.261,82.36 h0.64 r270; ASSEMBLY_TOP "1nF" at 93.96,82.233 h0.25 r180
C1501: PIN_NUMBER "2" at 93.761,81.725 h0.64 r90; PIN_NUMBER "1" at 94.261,81.725 h0.64 r270; ASSEMBLY_TOP "1nF" at 93.96,81.598 h0.25 r180
C1502: PIN_NUMBER "2" at 93.761,81.115 h0.64 r90; PIN_NUMBER "1" at 94.261,81.115 h0.64 r270; ASSEMBLY_TOP "1nF" at 93.96,80.988 h0.25 r180
C1503: PIN_NUMBER "2" at 91.334,80.582 h0.64 r90; PIN_NUMBER "1" at 91.834,80.582 h0.64 r270; ASSEMBLY_TOP "100nF" at 91.33,80.455 h0.25 r180
C1504: PIN_NUMBER "2" at 103.522,76.649 h0.64 r180; PIN_NUMBER "1" at 103.522,77.149 h0.64; ASSEMBLY_TOP "100nF" at 103.395,76.899 h0.25 r270
C1505: PIN_NUMBER "2" at 92.31,65.431 h0.64 r270; PIN_NUMBER "1" at 91.81,65.431 h0.64 r90; ASSEMBLY_TOP "100nF" at 91.806,65.304 h0.25 r180
C1506: PIN_NUMBER "2" at 87.397,74.511 h0.64 r90; PIN_NUMBER "1" at 87.897,74.511 h0.64 r270; ASSEMBLY_TOP "100nF" at 87.393,74.384 h0.25 r180
C1600: PIN_NUMBER "2" at 87.258,75.778 h0.64 r90; PIN_NUMBER "1" at 87.759,75.778 h0.64 r270; ASSEMBLY_TOP "1uF" at 87.457,75.651 h0.25 r180
C1601: PIN_NUMBER "2" at 88.802,75.198 h0.64 r225; PIN_NUMBER "1" at 88.448,75.552 h0.64 r45; ASSEMBLY_TOP "100nF" at 88.371,75.248 h0.25 r180
C1602: PIN_NUMBER "2" at 87.258,75.14 h0.64 r90; PIN_NUMBER "1" at 87.759,75.14 h0.64 r270; ASSEMBLY_TOP "1uF" at 87.457,75.013 h0.25 r180
C1603: PIN_NUMBER "2" at 89.04,74.511 h0.64 r270; PIN_NUMBER "1" at 88.54,74.511 h0.64 r90; ASSEMBLY_TOP "100nF" at 88.536,74.384 h0.25 r180
C1604: PIN_NUMBER "2" at 121.582,80.532 h0.64 r135; PIN_NUMBER "1" at 121.936,80.886 h0.64 r315; ASSEMBLY_TOP "1uF" at 121.708,80.581 h0.25 r180
C1606: PIN_NUMBER "2" at 91.168,78.651 h0.64 r90; PIN_NUMBER "1" at 91.669,78.651 h0.64 r270; ASSEMBLY_TOP "100nF" at 91.165,78.524 h0.25 r180
C1607: PIN_NUMBER "2" at 91.334,85.281 h0.64 r90; PIN_NUMBER "1" at 91.834,85.281 h0.64 r270; ASSEMBLY_TOP "1uF" at 91.533,85.154 h0.25 r180
C1608: PIN_NUMBER "2" at 91.168,79.286 h0.64 r90; PIN_NUMBER "1" at 91.669,79.286 h0.64 r270; ASSEMBLY_TOP "100nF" at 91.165,79.159 h0.25 r180
C1609: PIN_NUMBER "2" at 93.663,86.5 h0.64 r270; PIN_NUMBER "1" at 93.162,86.5 h0.64 r90; ASSEMBLY_TOP "1uF" at 93.362,86.373 h0.25 r180
C1610: PIN_NUMBER "2" at 91.168,79.921 h0.64 r90; PIN_NUMBER "1" at 91.669,79.921 h0.64 r270; ASSEMBLY_TOP "100nF" at 91.165,79.794 h0.25 r180
C1611: PIN_NUMBER "2" at 91.943,85.992 h0.64 r90; PIN_NUMBER "1" at 92.444,85.992 h0.64 r270; ASSEMBLY_TOP "1uF" at 92.143,85.865 h0.25 r180
C1700: PIN_NUMBER "1" at 151.37,148.632 h0.64; PIN_NUMBER "2" at 151.37,149.133 h0.64 r180; ASSEMBLY_TOP "220nF" at 151.243,148.882 h0.25 r90
C1701: PIN_NUMBER "1" at 152,148.632 h0.64; PIN_NUMBER "2" at 152,149.133 h0.64 r180; ASSEMBLY_TOP "220nF" at 151.873,148.882 h0.25 r90
C1702: PIN_NUMBER "1" at 149.868,145.711 h0.64; PIN_NUMBER "2" at 149.868,146.212 h0.64 r180; ASSEMBLY_TOP "220nF" at 149.741,145.961 h0.25 r90
C1703: PIN_NUMBER "1" at 150.498,145.711 h0.64; PIN_NUMBER "2" at 150.498,146.212 h0.64 r180; ASSEMBLY_TOP "220nF" at 150.371,145.961 h0.25 r90
C1704: PIN_NUMBER "1" at 148.368,148.632 h0.64; PIN_NUMBER "2" at 148.368,149.133 h0.64 r180; ASSEMBLY_TOP "220nF" at 148.241,148.882 h0.25 r90
C1705: PIN_NUMBER "1" at 148.998,148.632 h0.64; PIN_NUMBER "2" at 148.998,149.133 h0.64 r180; ASSEMBLY_TOP "220nF" at 148.871,148.882 h0.25 r90
C1706: PIN_NUMBER "1" at 152.87,145.711 h0.64; PIN_NUMBER "2" at 152.87,146.212 h0.64 r180; ASSEMBLY_TOP "220nF" at 152.743,145.961 h0.25 r90
C1707: PIN_NUMBER "1" at 153.5,145.711 h0.64; PIN_NUMBER "2" at 153.5,146.212 h0.64 r180; ASSEMBLY_TOP "220nF" at 153.373,145.961 h0.25 r90
C1709: PIN_NUMBER "2" at 98.603,74.689 h0.2 r180; PIN_NUMBER "1" at 99.543,74.689 h0.2 r180; ASSEMBLY_TOP "4.7uF" at 98.645,74.562 h0.25 r180
C1710: PIN_NUMBER "2" at 113.58,85.27 h0.25 r90; PIN_NUMBER "1" at 113.58,83.87 h0.25 r90; ASSEMBLY_TOP "4.7uF" at 113.301,84.57 h0.25 r90
C1711: PIN_NUMBER "2" at 98.315,75.828 h0.64 r90; PIN_NUMBER "1" at 98.816,75.828 h0.64 r270; ASSEMBLY_TOP "1uF" at 98.514,75.701 h0.25 r180
C1713: PIN_NUMBER "2" at 102.052,76.689 h0.64 r270; PIN_NUMBER "1" at 101.552,76.689 h0.64 r90; ASSEMBLY_TOP "1uF" at 101.751,76.562 h0.25 r180
C1714: PIN_NUMBER "2" at 100.242,75.599 h0.64 r180; PIN_NUMBER "1" at 100.242,76.1 h0.64; ASSEMBLY_TOP "100nF" at 100.115,75.849 h0.25 r270
C1715: PIN_NUMBER "2" at 102.108,75.883 h0.2; PIN_NUMBER "1" at 101.169,75.883 h0.2; ASSEMBLY_TOP "4.7uF" at 101.21,75.756 h0.25 r180
C1716: PIN_NUMBER "1" at 128.916,148.632 h0.64; PIN_NUMBER "2" at 128.916,149.133 h0.64 r180; ASSEMBLY_TOP "220nF" at 128.79,148.882 h0.25 r90
C1717: PIN_NUMBER "1" at 129.547,148.632 h0.64; PIN_NUMBER "2" at 129.547,149.133 h0.64 r180; ASSEMBLY_TOP "220nF" at 129.42,148.882 h0.25 r90
C1718: PIN_NUMBER "1" at 127.414,145.711 h0.64; PIN_NUMBER "2" at 127.414,146.212 h0.64 r180; ASSEMBLY_TOP "220nF" at 127.287,145.961 h0.25 r90